# Altium PCB ThereMightBeNoise.PcbDoc (part 2 of 3) (continued)
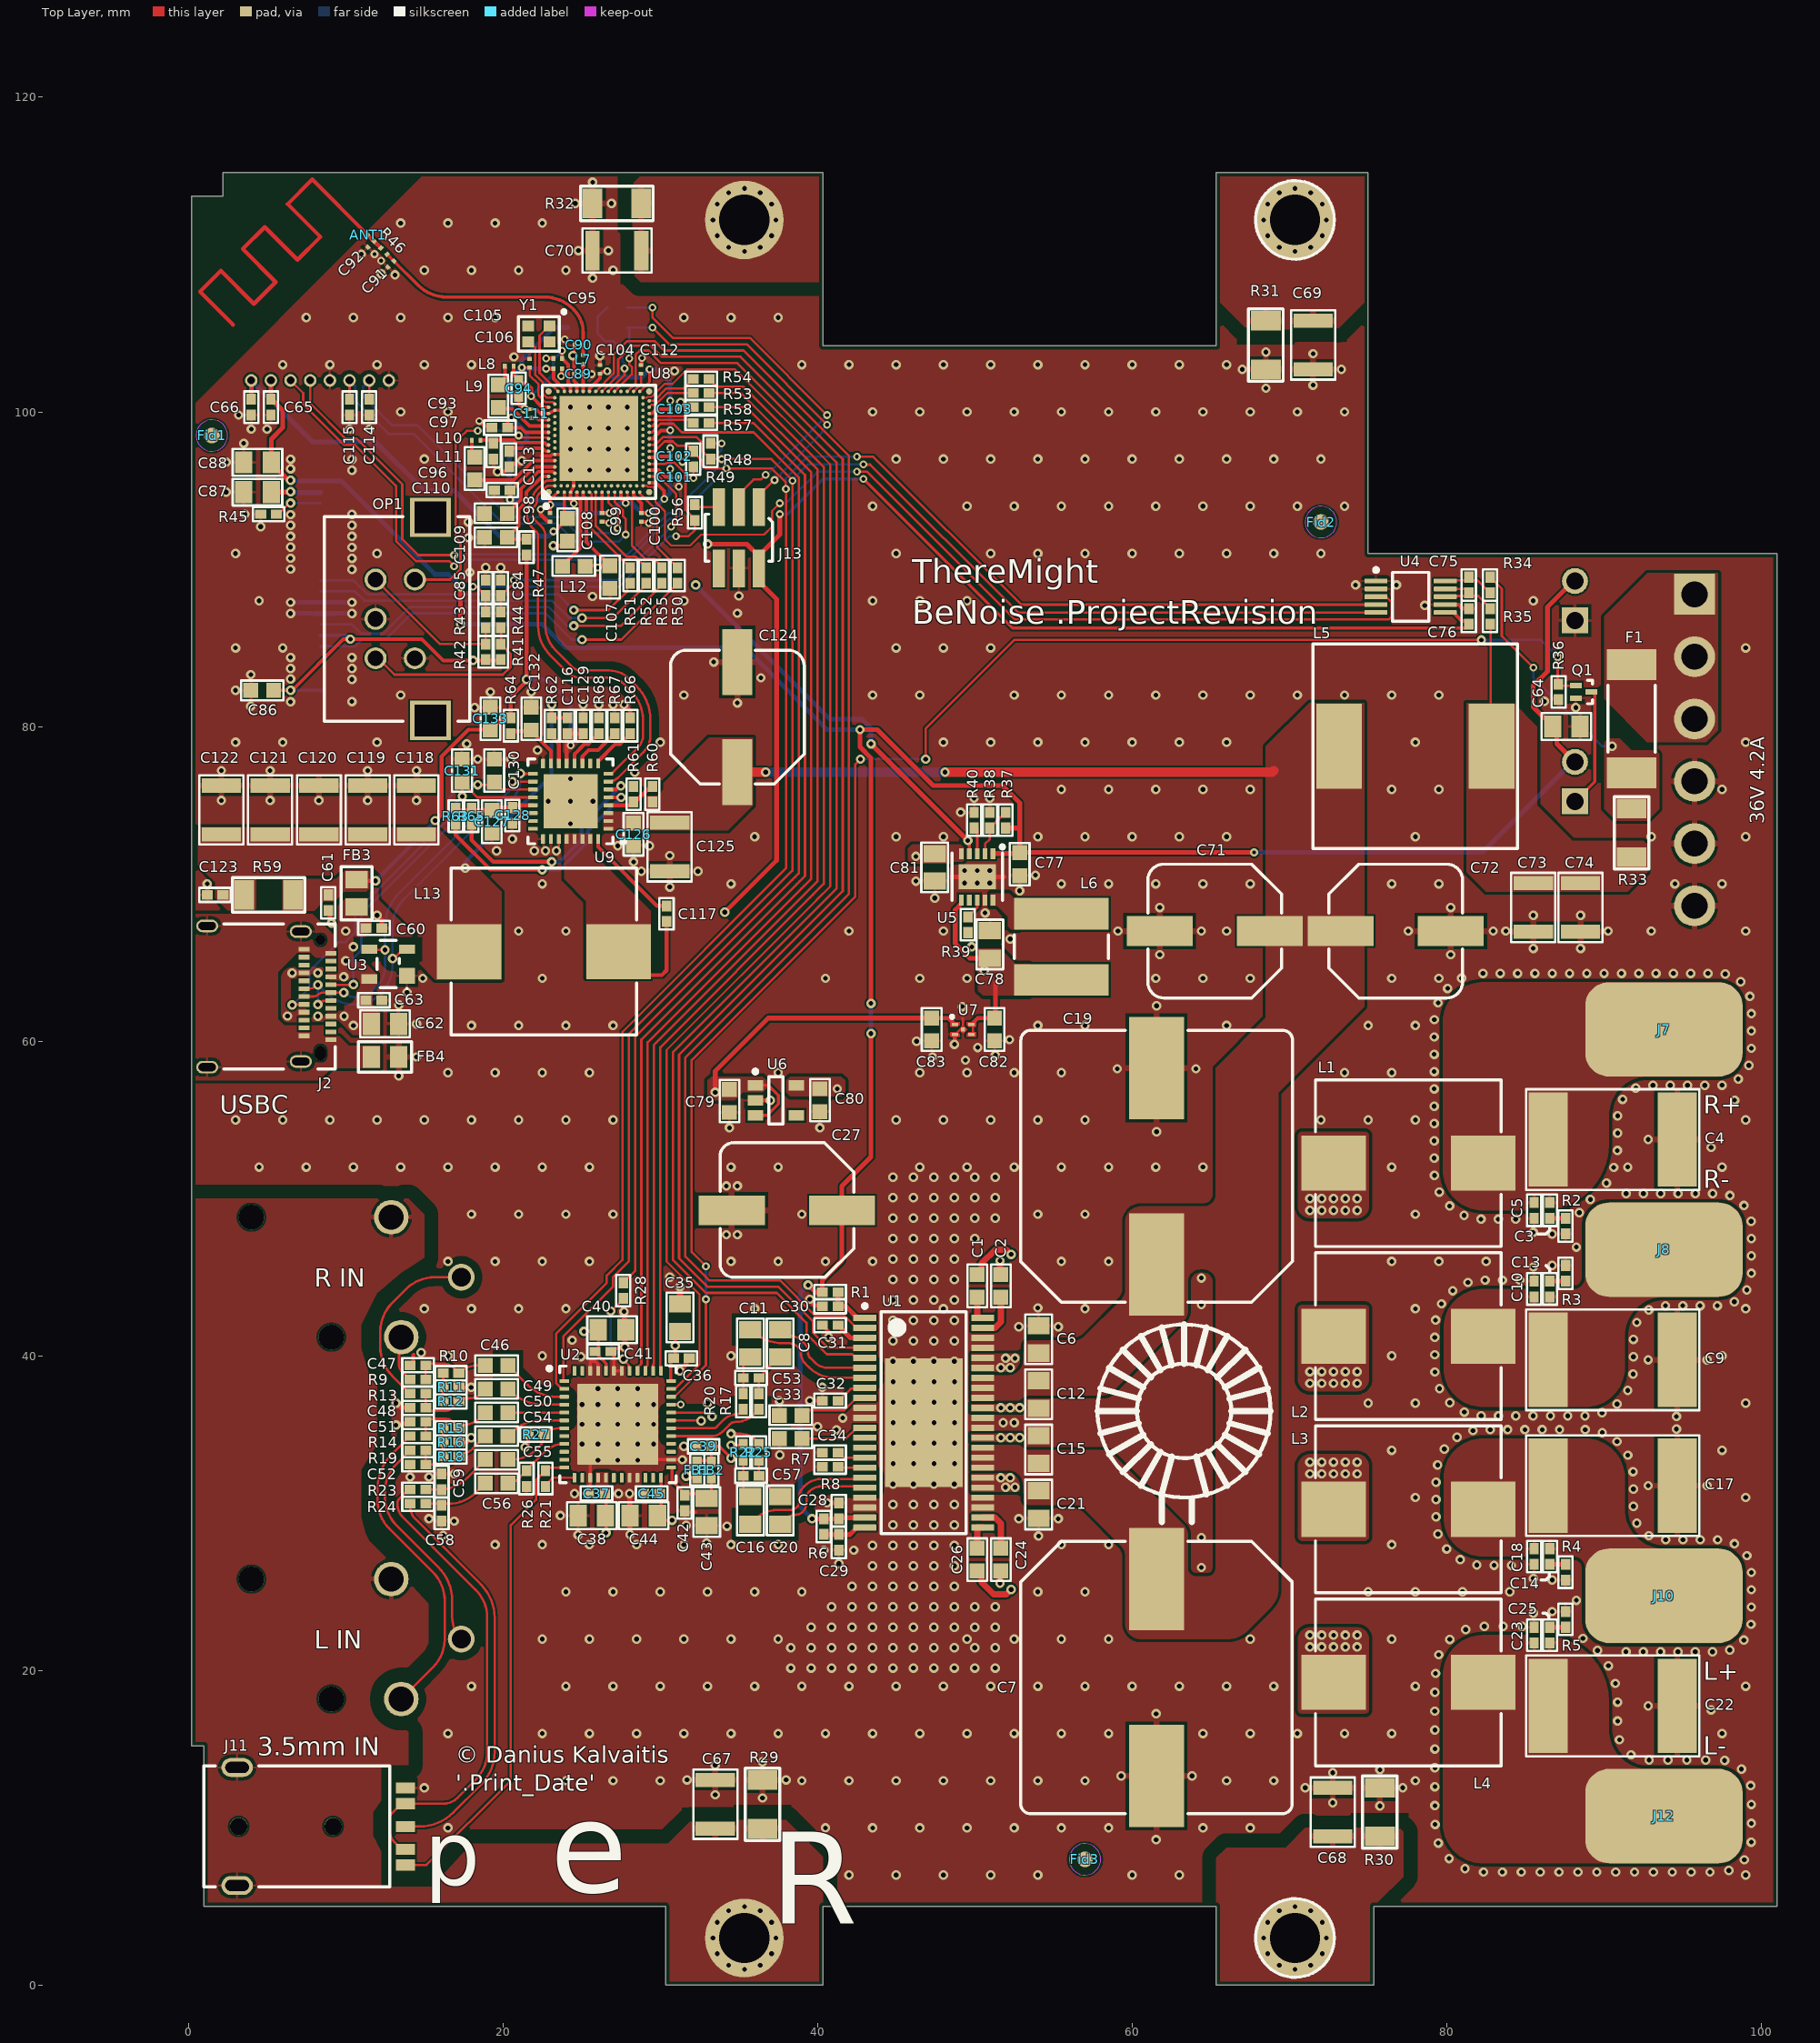
[diagram p0: Top Layer view]
## Nets (pads, with @x,y where several pads share a name; then routed paths per layer and width w, separated by ;. In a path a pad name is that pad's centre, name@x,y a point inside that pad or via, vN(x,y) a via of type N, cw(c..) or ccw(c..) an arc to the next point about the centre after c; other vN are vias at no path point) (continued)
AMP_OTW_CLIP#: U1.2 U8.R31 | length 89
  Top Layer w0.15: U8.R31@25.9,101.3 27.05,102.45 27.05,103.65 27.9,104.5 29.635,104.5 30.235,103.9 35.3,103.9 42,97.2 42,69.369 31.597,58.966 31.597,46.303 33.1,44.8 37.6,44.8 39.85,42.55 41.7,42.55 42.342,41.908 42.35,41.908 42.4,41.858 U1.2@42.4,41.85
AMP_RST#: U1.5 U8.AE31 | length 88.6
  Top Layer w0.15: U8.AE31@27.9,101.3 28.435,101.835 28.435,103.635 28.7,103.9 29.25,103.9 30.05,103.1 34.899,103.1 41.2,96.799 41.2,69.7 30.8,59.3 30.8,46.1 32.9,44 37.4,44 39.3,42.1 39.3,41.4 40.6,40.1 42.2,40.1 42.422,39.878 U1.5@43,39.878
ANT_7: ANT1.1 C92.2 R46.2 | length 1.2
  Top Layer w0.254: ANT1.1@11.412,111.246 C92.2@11.8,110.857 R46.2@12.242,110.415
AVDD_DAC: C42.2 C43.2 FB2.2 U2.25 | length 4.4
  Top Layer w0.2: U2.25@30.75,32.85 30.75,32.05 31.35,31.45 31.55,31.25 C42.2@31.75,31.25 ; C42.2@31.85,31.25 C43.2@32.75,31.25 ; FB2.2@33.35,32.35 FB2.2@33.25,32.25 33.25,31.35 C43.2@33.45,31.15
BCLK: R53.1 U2.38 | length 70.8
  Top Layer w0.15: U2.38@29.55,39.05 29.55,39.45 29.6,39.5 29.6,59.772 39.414,69.586 ; R53.1@33.1,101.2 35.128,101.2 40,96.328 40,70.172 39.414,69.586 ; 39.249,69.42 39.414,69.586
CC1: C131.2 J2.A5 U9.20 | length 22.1
  Top Layer w0.15: J2.A5@9.06,63.59 10.29,63.59 10.3,63.6 v1(10.5,63.6) ; C131.2@17.4,76.475 C131.2@17.417,76.458 ; v1(17.417,75.561) C131.2@17.417,76.458 ; U9.20@21.9,75.5 18.375,75.5 C131.2@17.417,76.458
  Bottom Layer w0.15: v1(10.5,63.6) 10.5,65.3 11,65.8 11,68.1 17,74.1 17,75.143 v1(17.417,75.561)
CC2: C130.2 J2.B5 U9.19 | length 24.3
  Top Layer w0.15: v1(6.6,62.3) 6.64,62.34 J2.B5@7.36,62.34 ; v1(18.4,76.3) 19.275,76.3 C130.2@19.45,76.475 19.925,76 U9.19@21.9,76
  Bottom Layer w0.15: v1(6.6,62.3) 7.7,63.4 7.7,64.455 9.542,66.297 9.997,66.297 10.6,66.9 10.6,68.2 16.6,74.2 16.6,75.5 17.2,76.1 17.823,76.1 18.023,76.3 v1(18.4,76.3)
CODEC_GPIO: Q1.1 R36.2 U2.34 | length 98.5
  Top Layer w0.15: U2.34@30.7,37.4 30.9,37.4 32.9,39.4 v3(32.9,43.599) ; v3(32.9,45.7) 32,46.6 32,58.8 42.4,69.2 42.4,77.6 v1(42.728,77.928) ; v1(46.872,77.928) 46.872,79.872 52.5,85.5 v1(82.2,85.5) ; v1(87.05,84.433) 87.05,83 87.2,82.85 87.05,82.7 R36.2@87.1,82.7 87.2,82.6 Q1.1@88.2,82.6
  Bottom Layer w0.15: v3(32.9,43.599) v3(32.9,45.7) ; v1(42.728,77.928) v1(46.872,77.928) ; v1(82.2,85.5) 85.983,85.5 v1(87.05,84.433)
CODEC_INT: U2.35 U8.AK30 | length 80
  Top Layer w0.127: U8.AK30@28.9,100.9 29.125,100.9 29.185,100.96 29.46,100.96 30.275,101.775 30.775,101.775 31.705,102.705 34.755,102.705 40.8,96.66 40.8,69.84 39.98,69.02 39.814,68.854 30.4,59.44 30.4,46 32.5,43.9 32.5,39.464 30.936,37.9 U2.35@30.7,37.9
CS#: DS1.13 R50.1 | length 26
  Top Layer w0.15: v1(25.028,85.526) 27.526,85.526 R50.1@31.1,89.1
  Bottom Layer w0.15: DS1.13@8.425,85.091 8.591,85.091 8.6,85.1 10.6,85.1 11,85.5 12.5,85.5 14.2,87.2 22.7,87.2 24.374,85.526 v1@25.267,85.526
D/C#: DS1.15 R55.1 | length 24.3
  Top Layer w0.15: v1(24.5,86.4) 27.5,86.4 30.1,89 R55.1@30.1,89.1
  Bottom Layer w0.15: DS1.15@8.425,86.491 10.409,86.491 11,85.9 12.4,85.9 14.1,87.6 22.9,87.6 24.1,86.4 v1(24.5,86.4)
D_IN_N: J2.A7 J2.B7 U3.2 U9.17 | length 27.1
  Top Layer w0.15: J2.B7@7.36,63.34 7.654,63.34 ccw(c7.654,64.16) v1(8.233,63.58) v1@8.175,63.58 ; v1@8.306,62.403 cw(c8.74,61.97) J2.A7@8.74,62.583 ; J2.A7@9.06,62.59 9.076,62.59 ccw(c9.076,62.624) 9.1,62.6 ccw(c9.124,62.624) J2.A7@9.124,62.59 ; v1(12.986,65.26) 12.986,65.262 12.97,65.278 12.97,65.272 ccw(c13.072,65.272) 13,65.2 13.473,65.673 cw(c13.9,65.246) U3.2@13.9,65.85 ; v1(21.114,77.014) ccw(c21.148,77.048) 21.148,77 U9.17@21.8,77
  Bottom Layer w0.15: v1(8.232,62.329) 8.233,62.33 v1(8.233,63.58) 8.709,63.105 ccw(c10.579,64.975) 10.579,62.33 10.702,62.33 ccw(c10.702,64.244) 12.055,62.891 12.333,63.168 ccw(c10.795,64.706) 12.97,64.706 v1@12.97,65.26 ; v1(12.986,65.26) 12.986,67.27 cw(c15.526,67.27) 13.73,69.066 19.069,74.404 cw(c19.3,74.173) 19.3,74.5 19.401,74.5 ccw(c19.401,75.136) 19.851,74.686 20.65,75.486 ccw(c19.53,76.605) 21.114,76.605 v1(21.114,77.014) 21.1,77 ccw(c21.172,76.928) v1@21.07,76.928
D_IN_P: J2.A6 J2.B6 U3.3 U9.18 | length 23.6
  Top Layer w0.15: J2.B6@7.36,62.84 7.949,62.84 ccw(c7.949,63.241) 8.232,62.957 cw(c8.555,62.635) 8.555,63.091 J2.A6@8.994,63.091 ; J2.A6@9.06,63.09 v1(9.882,63.09) ; U3.3@11.5,65.85 11.5,65.8 v1(12.5,65.8) ; v1(20.6,76.5) U9.18@21.659,76.5
  Bottom Layer w0.15: v1(9.882,63.09) ccw(c10.582,63.79) 10.582,62.8 10.7,62.8 ccw(c10.7,64.249) 11.724,63.224 12,63.5 ccw(c10.793,64.707) 12.5,64.707 v1(12.5,65.8) 12.5,67.253 cw(c15.51,67.253) 13.382,69.382 18.738,74.738 cw(c19.298,74.179) 19.298,74.97 19.4,74.97 ccw(c19.4,75.139) 19.52,75.02 20.317,75.817 ccw(c19.634,76.5) v1(20.6,76.5)
D_N: U8.B4 U9.8 | length 24.9
  Top Layer w0.148: U8.B4@23.3,95.7 cw(c22.53,96.47) 23.231,95.637 ccw(c23.217,95.362) 23.217,95.637 22.864,95.637 ccw(c22.864,95.362) 22.669,95.557 22.103,94.99 ccw(c22.594,94.5) 21.9,94.5 cw(c21.417,94.5) 21.759,94.159 21.7,94.1 ccw(c22.105,93.695) 21.532,93.695 21.532,93.487 ccw(c22.785,93.487) 21.899,92.601 22.129,92.371 cw(c21.88,92.122) 22.232,92.122 22.232,86.418 ccw(c24.916,86.418) 23.018,84.52 24.071,83.467 ccw(c24.958,84.354) 24.958,83.1 26.734,83.1 cw(c26.734,81.734) 27.7,82.7 28.156,82.244 cw(c26.36,80.448) 28.9,80.448 28.9,79.4 cw(c27.934,79.4) 28.617,78.717 27.041,77.141 cw(c26.7,77.483) U9.8@26.7,77
D_P: U8.B2 U9.7 | length 25.2
  Top Layer w0.148: 21.9,93.487 ccw(c22.444,93.487) 22.059,93.102 22.461,92.7 cw(c21.885,92.124) 22.7,92.124 22.7,86.419 ccw(c24.919,86.419) 23.35,84.85 24.4,83.8 ccw(c24.96,84.36) 24.96,83.568 26.736,83.568 cw(c26.736,81.738) 28.03,83.032 28.488,82.573 cw(c26.365,80.45) 29.368,80.45 29.368,79.399 cw(c27.937,79.399) 28.949,78.387 27.317,76.756 cw(c26.7,77.373) U9.7@26.7,76.5 ; 21.9,93.5 21.9,93.759 cw(c22.241,93.759) 22,94 22.009,94.009 ccw(c21.628,94.39) 22.167,94.39 ccw(c21.417,94.5) 22.175,94.5 cw(c22.594,94.5) 22.298,94.797 22.735,95.234 cw(c22.895,95.074) 22.895,95.3 U8.B2@23.3,95.3
DEBUG_TX_8: J13.3 R56.2 | length 1.6
  Top Layer w0.15: R56.2@32.2,94.1 32.35,93.95 J13.3@33.73,93.95
DECA_7: C113.2 U8.A13 | length 2.7
  Top Layer w0.225: C113.2@20.4,97.5 20.6,97.7 22.5,97.7 22.7,97.5 U8.A13@22.9,97.5
DECF_7: C112.2 U8.AG31 | length 1.3
  Top Layer w0.15: U8.AG31@28.3,101.3 28.775,101.775 C112.2@28.775,102.425
DECN_7: C111.2 U8.A23 | length 1.2
  Top Layer w0.225: C111.2@21.8,99.625 22.148,99.625 22.273,99.5 U8.A23@22.9,99.5
DECR_7: C94.2 C95.2 L8.1 U8.A27 U8.G31 | length 10.5
  Top Layer w0.225: L8.1@20.675,102.9 20.675,102.369 20.807,102.237 20.813,102.237 21,102.05 C94.2@21,102 ; C94.2@21,102 21.188,101.811 21.489,101.811 21.8,101.5 v3(21.8,101) 22.5,100.3 U8.A27@22.9,100.3 ; v3(23.76,103.878) 23.76,103.405 C95.2@23.765,103.4 23.765,103.375 23.778,103.363 23.803,103.363 24.157,103.008 24.157,101.845 24.3,101.702 U8.G31@24.3,101.3
  Bottom Layer w0.2: v3(21.8,101) 23.2,102.4 23.2,103.3 v3@23.8,103.9
DECUSB_7: C110.2 U8.B6 | length 4.6
  Top Layer w0.225: C110.2@20.275,93.55 21.15,94.425 21.15,95.101 22.251,96.201 23.199,96.201 U8.B6@23.3,96.1
DIFF_AUDIO_IN.L_N: C20.1 C57.1 R25.2 | length 2.6
  Top Layer w0.148: C57.1@36.275,32.375 R25.2@36.275,33.375 ; C57.1@36.275,32.375 36.732,31.918 cw(c35.947,31.133) C20.1@37.057,31.133 ; C20.1@37.582,31.068 ccw(c37.625,31.11) C20.1@37.625,31.05 C20.1@37.6,31.05
DIFF_AUDIO_IN.L_P: C16.1 C57.2 R22.2 | length 2.5
  Top Layer w0.15: R22.2@35.275,33.375 C57.2@35.275,32.375 35.275,31.5 C16.1@35.725,31.05
DIFF_AUDIO_IN.R_N: C11.1 C53.1 R20.2 | length 2.5
  Top Layer w0.15: R20.2@35.275,37.6 C53.1@35.275,38.6 35.275,39.475 C11.1@35.725,39.925
DIFF_AUDIO_IN.R_P: C8.1 C53.2 R17.2 | length 2.9
  Top Layer w0.15: R17.2@36.275,37.6 C53.2@36.275,38.6 36.81,39.135 ccw(c36.331,39.615) C8.1@37.009,39.615 ; C8.1@37.15,39.525 37.15,39.599 37.488,39.788 C8.1@37.625,39.925
DIN: R57.1 U2.40 | length 69.1
  Top Layer w0.15: U2.40@28.55,39.05 28.55,39.25 28.8,39.5 28.8,60.103 38.849,70.151 ; R57.1@33.1,99.3 35.897,99.3 39.2,95.997 39.2,70.503 38.849,70.151 ; 38.683,69.986 38.849,70.151
DOUT: R28.1 U8.AL19 | length 67.2
  Top Layer w0.15: R28.1@27.65,44.65 28.4,45.4 28.4,60.269 38.566,70.434 ; U8.AL19@29.3,98.7 29.301,98.701 29.476,98.701 30.025,99.25 30.825,99.25 31.375,98.7 35.931,98.7 38.8,95.831 38.8,70.669 38.566,70.434 ; 38.4,70.269 38.566,70.434
DRVDD: C37.2 C38.2 C44.2 C45.2 FB1.2 U2.16 U2.17 U2.24 | length 15.2
  Top Layer w0.2: C38.2@26.55,29.45 26.55,29.85 26.553,29.847 v1(26.553,28.754) ; C38.2@26.55,30.05 C37.2@26.55,31.25 ; C37.2@26.55,30.95 C37.2@26.55,31.35 ; C44.2@29.95,30.05 C44.2@30.05,29.95 ; C45.2@29.95,31.25 30.05,31.15 C44.2@30.05,30.25 ; C44.2@30.05,29.75 C44.2@30.05,29.95 ; C44.2@30.05,30.05 C44.2@30.05,29.95 ; C45.2@30.05,31.2 U2.24@30.05,32.25 ; v1(30.75,29.55) 30.2,29.55 30.1,29.65 30.1,29.9 C44.2@30.05,29.95 ; v1@31.65,32.25 32.15,32.25 32.25,32.35 FB1.2@32.45,32.35
  Int2 (PWR) w0.2: v1(26.553,28.754) 27.349,29.55 v1(30.75,29.55) 30.75,31.45 v1(31.65,32.35)
ENC_A: C85.2 R43.2 R56.1 U8.AL9 | length 24.4
  Top Layer w0.15: v3(18.1,88.9) 18.31,88.9 C85.2@18.9,88.31 18.9,87.183 R43.2@18.792,87.075 ; U8.AL9@29.3,96.7 30.35,96.7 30.425,96.775 30.9,96.775 31.6,96.075 31.6,93.775 32.2,93.175 R56.1@32.2,93.1 32.2,92.5 31.8,92.1 v3(31,92.1)
  Bottom Layer w0.15: v3(18.1,88.9) 27.4,88.9 30.6,92.1 v3(31,92.1)
ENC_B: C84.2 R44.2 U8.AL5 | length 18.3
  Top Layer w0.15: R44.2@19.753,87.202 19.861,87.31 C84.2@19.861,88.31 20.7,89.149 v3(20.7,89.31) ; U8.AL5@29.3,95.9 29.892,95.9 31,94.792 31,93.008 v3(30.692,92.7)
  Bottom Layer w0.15: v3(20.7,89.31) 27.302,89.31 v3(30.692,92.7)
ENC_SW#: OP1.1 U8.A17 | length 17.8
  Top Layer w0.15: OP1.1@14.4,89.341 16.641,89.341 17.3,90 17.3,91.7 17,92 17,98.1 17.3,98.4 17.7,98.8 v3(18.4,98.8) ; v3(21,98.5) 21.017,98.5 21.142,98.375 22.805,98.375 22.88,98.3 U8.A17@22.9,98.3
  Bottom Layer w0.15: v3(18.4,98.8) 20.7,98.8 v3(21,98.5)
FAN_PWR: J4.1 Q1.3 | length 7.7
  Top Layer w0.2: J4.1@88.15,75.25 89.4,76.5 89.4,78.6 89.4,82.19 89.39,82.2 Q1.3@89.2,82.2
GND: C4.1 C5.1 C6.2 C7.2 C9.2 C10.2 C12.1 C15.2 C17.1 C18.1 C19.2 C21.1 C22.2 C23.2 C27.2 C28.1 C29.1 C30.1 C31.1 C32.1 C33.1 C34.1 C35.1 C36.1 C37.1 C38.1 C39.1 C40.1 C41.1 C42.1 C43.1 C44.1 C45.1 C47.1 C48.2 C51.1 C52.2 C58.1 C59.1 C60.1 C61.1 C62.1 C63.1 C64.1 C65.1 C66.1 C67.2 C68.2 C69.2 C70.2 C71.2 C72.2 C73.1 C74.1 C76.1 C77.1 C78.1 C79.1 C80.1 C81.1 C82.1 C83.1 C84.1 C85.1 C86.1 C87.1 C88.1 C89.1 C90.1 C91.1 C92.1 C93.1 C94.1 C95.1 C96.1 C97.1 C98.1 C99.1 C100.1 C101.1 C102.1 C103.1 C104.1 C105.1 C106.1 C107.1 C108.1 C109.1 C110.1 C111.1 C112.1 C113.1 C114.2 C115.1 C118.1 C119.1 C120.1 C121.1 C122.1 C123.1 C124.2 C125.1 C126.1 C127.1 C128.1 C129.1 C130.1 C131.1 C132.1 C133.1 DS1.1 DS1.8 DS1.10 DS1.11 DS1.12 DS1.16 DS1.17 DS1.20 DS1.21 DS1.22 DS1.23 DS1.24 DS1.25 DS1.29 DS1.30 FB4.1 J1.4 J1.5 J1.6 J3.1 J5.1 J5.4 J11.1 J13.5 J14.2 OP1.2 OP1.C Q1.2 R2.1 R3.2 R4.1 R5.2 R7.1 R8.1 R11.2 R16.2 R26.1 R27.1 R29.2 R30.2 R31.2 R32.2 R36.1 R38.1 R39.1 R40.1 R45.1 R61.1 R66.1 R67.1 R68.1 U1.10 U1.11 U1.19 U1.20 U1.25 U1.26 U1.33 U1.34 U1.41 U1.42 U1.45 U2.15 U2.20 U2.21 U2.26 U2.42 U2.43 U2.45 U2.46 U2.49 U3.1 U4.1 U4.2 U4.7 U5.9 U5.11 U6.2 U7.2 U7.5 U8.104 U8.A25 U8.B12 U8.B26 U8.G1 U8.H2 U8.J31 U9.16 U9.25 U9.26 U9.27 U9.33 | length 69.1
  Top Layer w0.15: v1(23.396,72.104) 23.4,72.1 23.549,72.249 U9.27@23.549,72.821 ; v1(24.45,103.575) 24.525,103.65 24.525,104.233 C90.1@24.55,104.258 ; U1.11@42.918,35.985 U1.11@43,36.068 ; U7.2@48.729,60.438 48.779,60.438 49.092,60.75 U7.5@49.25,60.75 49.25,61.425 49.2,61.475
  Top Layer w0.2: v1@24.65,31.25 C37.1@25.45,31.25 ; C37.1@25.55,31.35 U2.15@25.55,32.25 U2.49@25.55,33.25 ; U2.46@25.55,39.15 25.55,39.65 ; 25.65,39.65 25.85,39.65 26.03,39.47 26.03,39.07 U2.45@26.05,39.05 ; C41.1@26.85,40.35 26.973,40.473 27.565,40.473 27.642,40.55 v1(27.75,40.55) ; C41.1@27.05,40.25 U2.43@27.05,39.05 U2.42@27.55,39.05 ; v1@28.063,31.163 v1@28.16,31.26 ; U2.49@29.65,33.35 29.7,33.4 U2.26@30.7,33.4 v1(31.406,33.4) ; C42.1@31.55,30.05 32.25,30.05
  Top Layer w0.225: C47.1@14.1,39.4 14.3,39.6 14.3,40.061 14.32,40.08 ; R16.2@17.2,34.5 17.7,34.5 18,34.8 v1(17.973,34.8) ; R11.2@17.2,38 v1(17.973,38) ; C94.1@21,101 21,100.475 21.088,100.387 21.089,100.387 21.302,100.175 v1(21.376,100.175) C111.1@21.8,100.175 21.803,100.172 22.099,100.172 22.37,99.9 U8.A25@22.9,99.9 U8.B26@23.3,100.1 24.3,100.1 U8.104@26.1,98.3 24.5,96.7 U8.H2@24.5,95.3 U8.G1@24.3,94.9 24.3,94.4 24.5,94.2 v3(24.5,94.183) ; v1(21.4,34.2) 21.6,34.4 R27.1@21.6,35 ; 22.45,97.2 22.451,97.199 23.025,97.199 23.126,97.3 U8.B12@23.3,97.3 U8.104@23.8,97.3 ; v3(22.75,103.4) C95.1@23.215,103.4 ; v3(23.7,102.274) 23.753,102.326 23.753,102.738 C105.1@23.765,102.75 ; v1(24.45,103.575) 24.525,103.5 C89.1@24.525,102.4 24.525,101.975 24.7,101.8 U8.J31@24.7,101.3 ; v1(26.166,103.564) 26.175,103.555 C104.1@26.175,102.975 ; C99.1@26.3,93.025 26.313,93.013 26.636,93.013 26.719,92.929 v3@26.775,92.986 ; v3(26.768,92.929) v3@26.768,92.979 ; C112.1@28.775,102.975 28.793,102.975 28.806,102.987 28.806,103.394 v3(28.836,103.425) ; C100.1@28.8,93.025 28.814,93.025 28.827,93.013 29.111,93.013 29.194,92.929 v3(29.268,92.929) ; v1(39.5,37.15) C32.1@40.3,37.15 ; C31.1@40.3,41.95 40.707,41.543 v1(40.707,41.182)
  Top Layer w0.25: v1@13.1,35.7 14,35.7 C51.1@14.1,35.8 ; v1@13.3,36.9 13.5,36.7 14,36.7 C48.2@14.1,36.7 ; v3(18.503,99.418) 18.822,99.1 19.2,99.1 C93.1@19.3,99 ; v1(19.65,96.2) 20.1,96.2 C113.1@20.4,96.5 ; C113.1@20.4,96.5 20.6,96.7 v1@21,96.7 ; v3(22.4,93.8) 22.4,93.486 22.861,93.025 C98.1@23,93.025 ; v1(23.2,91.5) 23.8,91.5 C108.1@24,91.7 ; v1(27.7,81.4) 28.1,81 R66.1@28.1,80.7 ; v3(31.175,95.24) C101.1@31.175,95.85 ; C102.1@31.175,97.175 31.175,97.067 v3(31.423,96.819) ; C103.1@31.175,100.175 31.3,100.3 v1(31.3,100.6) ; U6.2@36.047,56.241 v1(37,56.241) ; v1@39.4,43.6 39.8,43.2 40.3,43.2 C30.1@40.3,43.15 ; v1(48.7,59.8) 48.729,59.829 U7.2@48.729,60.438 ; U4.7@79.9,87.75 80.75,87.75 81,87.5 C76.1@81.5,87.5
  Top Layer w0.3: C123.1@1.2,69.3 v1(1.2,70) ; C61.1@8.9,68.3 9,68.2 9,67.6 v1(9.1,67.5) ; C60.1@12.3,67.2 12.3,67.7 ; C40.1@27.65,41.85 27.696,41.896 v1(27.696,42.813) ; v1(27.75,40.55) C40.1@27.75,41.15 ; v1@28.05,28.65 28.063,28.663 28.063,31.163 28.063,31.237 v1(28.05,31.25) ; v1@31.25,39.15 31.35,39.15 31.65,39.45 31.65,39.7 31.8,39.85 C36.1@31.85,39.85 ; C35.1@31.25,43.509 31.15,43.409 C35.1@31.252,43.307 ; v1(31.5,34.25) C39.1@32.25,34.25 ; v1@40.6,30.65 C28.1@41.35,30.65 ; 48.55,70.45 U5.11@49.25,70.45 ; U5.11@50.95,70.45 51.85,70.45 ; C15.2@53.65,35.325 C15.2@54.05,34.925
  Top Layer w0.4: C35.1@31.25,43.509 v1(31.25,44.4)
  Bottom Layer w0.3: v1@6.5,87.2 DS1.16@7.8,87.2 ; v1@6.5,87.9 8.5,87.9 DS1.17@8.491,87.891 ; DS1.16@7.991,87.191 DS1.16@8.425,87.191 9.191,87.191 9.2,87.2 v1@10.4,87.2 ; DS1.17@8.425,87.891 DS1.17@8.491,87.891 ; v1@10.4,87.9 9.4,87.9 9.391,87.891 DS1.17@8.491,87.891
  other v1: 42,7 45,7 48,7 51,7 54,7 60,7 63,7 99,7 82.335,7.189 83.535,7.189 84.735,7.189 85.935,7.189 87.135,7.189 88.335,7.189 89.534,7.189 90.734,7.189 91.934,7.189 93.134,7.189 94.334,7.189 95.534,7.189 96.734,7.189 97.93,7.288 81.154,7.402 98.917,7.972 80.143,8.05 79.457,9.035 99.355,9.089 61.525,9.25 16.5,10 40.5,10 43.5,10 46.5,10 49.5,10 52.5,10 55.5,10 58.5,10 64.5,10 67.5,10 79.257,10.218 99.361,10.289 75.75,11.4 79.246,11.418 99.361,11.489 72.75,11.6 36.5,11.9 33.5,12.1 15,12.54 71,12.55 77.2,12.55 79.246,12.618 99.314,12.688 24,13 27,13 30,13 39,13 42,13 45,13 48,13 51,13 54,13 57,13 66,13 69,13 78,13 31.7,13.05 38,13.05 59.3,13.3 63.8,13.3 72.75,13.5 75.75,13.7 98.729,13.735 79.246,13.818 33.5,14 36.5,14.2 97.659,14.28 92.86,14.311 94.06,14.311 95.26,14.311 96.46,14.311 91.708,14.648 79.246,15.018 90.975,15.598 16.5,16 22.5,16 25.5,16 28.5,16 31.5,16 34.5,16 37.5,16 40.5,16 43.5,16 46.5,16 49.5,16 52.5,16 55.5,16 58.5,16 64.5,16 67.5,16 70.5,16 73.5,16 76.5,16 97.5,16 79.246,16.218 90.861,16.792 61.525,17.25 79.239,17.418 96.8,17.5 92.8,17.75 90.861,17.992 79.246,18.618 18,19 24,19 27,19 30,19 33,19 36,19 39,19 42,19 45,19 48,19 51,19 54,19 57,19 60,19 63,19 66,19 69,19 78,19 99,19 90.713,19.183 79.284,19.817 38.297,20.156 39.597,20.156 40.897,20.156 42.197,20.156 43.497,20.156 44.797,20.156 46.097,20.156 47.397,20.156 48.697,20.156 49.997,20.156 51.297,20.156 90.275,20.301 79.489,20.999 91.39,21.189 92.49,21.189 93.59,21.189 94.69,21.189 95.79,21.189 96.89,21.189 89.574,21.274 97.984,21.303 38.297,21.456 39.597,21.456 40.897,21.456 42.197,21.456 43.497,21.456 44.797,21.456 46.097,21.456 47.397,21.456 48.697,21.456 49.997,21.456 51.297,21.456 98.886,21.933 80.184,21.978 22.5,22 25.5,22 28.5,22 31.5,22 34.5,22 37.5,22 49.5,22 52.5,22 55.5,22 58.5,22 67.5,22 76.5,22 88.655,22.045 81.204,22.61 39.597,22.756 40.897,22.756 42.197,22.756 43.497,22.756 44.797,22.756 46.097,22.756 47.397,22.756 48.697,22.756 49.997,22.756 51.297,22.756 82.387,22.811 83.587,22.811 84.787,22.811 99.339,22.935 85.5,23.65 86.7,23.75 99.361,24.035 40.897,24.056 42.197,24.056 43.497,24.056 44.797,24.056 46.097,24.056 47.397,24.056 48.697,24.056 49.997,24.056 51.297,24.056 88.239,24.462 24,25 27,25 30,25 33,25 36,25 39,25 54,25 57,25 75,25 78,25 81,25 84,25 99.361,25.135 42.197,25.356 43.497,25.356 44.797,25.356 46.097,25.356 47.397,25.356 48.697,25.356 86.7,25.75 85.5,25.85 99.361,26.235 64.4,26.55 43.497,26.656 44.797,26.656 46.097,26.656 47.397,26.656 48.697,26.656 83.005,26.689 84.105,26.689 81.905,26.708 41.35,26.8 80.858,27.045 99.078,27.298 40.4,27.65 42.3,27.65 79.995,27.727 43.497,27.956 44.797,27.956 46.097,27.956 47.397,27.956 48.697,27.956 19.5,28 22.5,28 25.5,28 28.5,28 31.5,28 34.5,28 37.5,28 55.5,28 58.5,28 76.5,28 98.285,28.061 32.95,28.1 93.914,28.311 95.014,28.311 96.114,28.311 97.214,28.311 64.4,28.45 54.05,28.55 92.845,28.57 16.2,28.6 24.775,28.625 28.075,28.65 79.442,28.678 34.25,29.175 31.65,29.225 92.082,29.362 16.9,29.5 15.3,29.65 52.8,29.65 55.3,29.65 79.314,29.771 23.65,29.85 91.861,30.44 40.6,30.65 79.314,30.871 78,31 99,31 24.55,31.25 27.35,31.25 91.861,31.54 92.8,31.75 96.55,31.75 79.315,31.971 14.1,32.3 15.3,32.3 16.912,32.5 91.843,32.64 79.415,33.066 37.6,33.7 91.508,33.687 76.5,34 97.5,34 79.842,34.08 90.827,34.551 80.648,34.828 89.882,35.115 81.666,35.245 41.2,35.3 82.764,35.311 83.864,35.311 84.964,35.311 86.064,35.311 87.164,35.311 88.8,35.311 94.6,35.35 40,35.5 13.2,35.6 51.8,35.75 52.5,35.75 41.6,36.05 94.6,36.15 82.187,36.189 83.287,36.189 84.387,36.189 85.487,36.189 86.587,36.189 87.687,36.189 88.787,36.189 89.87,36.38 81.114,36.428 90.818,36.939 13.2,37 33,37 75,37 78,37 99,37 80.192,37.029 37.575,37.15 91.501,37.801 79.54,37.915 40.3,38 91.841,38.848 79.245,38.975 31.25,39.05 92.8,39.75 96.55,39.75 24.95,39.95 91.861,39.947 16.5,40 22.5,40 34.5,40 76.5,40 97.5,40 79.239,40.075 14.8,40.2 24.4,41 91.861,41.047 79.239,41.175 52.8,41.85 55.3,41.85 92.077,42.126 79.283,42.274 92.835,42.923 15,43 18,43 21,43 24,43 36,43 48,43 57,43 78,43 99,43 54,43.05 93.902,43.189 95.002,43.189 96.102,43.189 97.202,43.189 64.4,43.25 79.66,43.308 98.275,43.435 44.797,43.556 46.097,43.556 47.397,43.556 48.697,43.556 39.5,43.6 80.378,44.141 99.072,44.193 81.344,44.667 82.434,44.811 83.534,44.811 84.634,44.811 44.797,44.856 46.097,44.856 47.397,44.856 48.697,44.856 64.4,44.95 30.6,45 99.361,45.254 85.5,45.65 86.7,45.75 16.5,46 19.5,46 22.5,46 25.5,46 34.5,46 37.5,46 40.5,46 43.5,46 55.5,46 58.5,46 76.5,46 79.5,46 82.5,46 44.797,46.156 46.097,46.156 47.397,46.156 48.697,46.156 99.361,46.354 88.239,46.914 44.797,47.456 46.097,47.456 47.397,47.456 48.697,47.456 49.997,47.456 99.361,47.454 34.2,47.7 34.9,47.7 86.7,47.75 85.5,47.85 99.341,48.554 83.275,48.689 84.375,48.689 82.175,48.691 44.797,48.756 46.097,48.756 47.397,48.756 48.697,48.756 49.997,48.756 51.297,48.756 81.101,48.93 18,49 21,49 24,49 27,49 39,49 54,49 57,49 78,49 88.421,49.099 80.178,49.528 98.892,49.558 89.126,49.944 44.797,50.056 46.097,50.056 47.397,50.056 48.697,50.056 49.997,50.056 51.297,50.056 97.994,50.193 91.4,50.311 92.5,50.311 93.6,50.311 94.7,50.311 95.8,50.311 96.9,50.311 79.522,50.411 34.2,50.8 34.9,50.8 90.149,50.981 44.797,51.356 46.097,51.356 47.397,51.356 48.697,51.356 49.997,51.356 51.297,51.356 79.216,51.468 90.614,51.978 4.5,52 7.5,52 10.5,52 13.5,52 16.5,52 19.5,52 22.5,52 25.5,52 34.5,52 37.5,52 46.5,52 49.5,52 52.5,52 55.5,52 58.5,52 61.5,52 64.5,52 76.5,52 91.5,52 97.5,52 79.199,52.568 90.841,53.055 96.8,53.25 79.199,53.668 92.8,53.75 90.861,54.154 61.55,54.25 34.4,54.5 40.15,54.5 79.199,54.768 3,55 6,55 9,55 12,55 15,55 18,55 21,55 24,55 27,55 45,55 48,55 51,55 54,55 57,55 72,55 75,55 78,55 99,55 90.861,55.254 79.199,55.868 98.3,56.25 91.176,56.308 79.199,56.968 92.013,57.022 93.1,57.189 94.2,57.189 95.3,57.189 96.4,57.189 97.5,57.201 98.528,57.594 13.375,57.8 16.5,58 19.5,58 22.5,58 25.5,58 37.5,58 46.5,58 49.5,58 52.5,58 55.5,58 73.5,58 76.5,58 79.199,58.068 59.05,58.25 64.05,58.25 99.204,58.462 49.4,58.8 14.5,59 47.3,59 51.3,59.1 79.199,59.168 99.361,59.551 50.183,59.6 46.3,60 52.2,60.1 79.199,60.268 99.361,60.651 18,61 21,61 24,61 27,61 54,61 57,61 66,61 75,61 78,61 14.5,61.1 79.202,61.368 99.361,61.751 49.2,62.2 61.55,62.25 13.375,62.3 79.447,62.44 99.27,62.847 13.9,63.1 80.053,63.358 98.684,63.777 14.9,64 22.5,64 40.5,64 46.5,64 49.5,64 61.5,64 64.5,64 67.5,64 76.5,64 79.5,64 80.942,64.005 97.701,64.271 82.302,64.311 83.402,64.311 84.502,64.311 85.602,64.311 86.702,64.311 87.802,64.311 88.902,64.311 90.002,64.311 91.102,64.311 92.202,64.311 93.302,64.311 94.402,64.311 95.502,64.311 96.602,64.311 61.75,65.5 80.25,65.5 85.5,65.9 88.5,65.9 49.8,66 52.25,66.5 21,67 24,67 42,67 48,67 59.1,67 64.4,67 66,67 77.55,67 82.95,67 83.75,67 90.25,67 93,67 99,67 12,68 85.5,68 88.5,68 50.65,68.15 61.75,68.5 80.25,68.5 47.45,69.1 52.847,69.556 30.6,69.8 22.5,70 34.5,70 55.5,70 58.5,70 61.5,70 64.5,70 67.5,70 76.5,70 79.5,70 94.5,70 97.5,70 46.25,70.175 53.85,70.55 28.8,70.8 32.4,70.8 28.3,71.4 30.6,71.8 19.6,72.1 22,72.1 22.7,72.1 27.3,72.425 29.3,72.425 20.6,72.85 36,73 45,73 48,73 54,73 57,73 60,73 63,73 66,73 78,73 93,73 99,73 49.1,74.55 2.1,75.3 5.2,75.3 8.3,75.3 11.4,75.3 14.5,75.3 49.95,75.45 50.95,75.45 55.5,76 58.5,76 61.5,76 64.5,76 67.5,76 76.5,76 79.5,76 97.5,76 28.376,77.085 2.1,77.2 5.2,77.2 11.4,77.2 14.5,77.2 18.4,77.925 20.5,77.925 22.2,78.5 17.7,78.9 3,79 6,79 12,79 30,79 48,79 51,79 54,79 57,79 60,79 63,79 66,79 78,79 99,79 18.2,81.2 88.2,81.2 3.975,81.3 25.1,81.4 26.1,81.4 27,81.4 34.9,81.5 6.5,81.573 10.4,81.591 86.2,81.6 13.5,82 31.5,82 43.5,82 46.5,82 52.5,82 55.5,82 58.5,82 61.5,82 64.5,82 67.5,82 70.5,82 73.5,82 76.5,82 79.5,82 19.2,82.2 21.8,82.2 3,82.3 10.4,82.991 6.5,83.027 36.4,83.1 3.975,83.3 6.5,83.691 10.4,83.691 33.4,84.1 6.5,84.391 10.4,84.391 3,85 6,85 45,85 48,85 51,85 99,85 6.5,87.191 10.4,87.191 34.9,87.2 78.6,87.7 6.5,87.891 10.4,87.891 4.5,88 31.5,88 43.5,88 46.5,88 49.5,88 85.5,88 25.698,88.267 35,88.3 74.2,89 76.8,89 17.9,89.8 6.5,90 10.4,89.991 18.9,90.1 19.861,90.1 6.5,90.7 10.4,90.691 3,91 12,91 45,91 51,91 54,91 57,91 60,91 63,91 66,91 69,91 72,91 6.5,91.4 10.4,91.391 17.8,92 6.5,92.091 10.4,92.091 4.6,92.7 6.5,92.791 10.4,92.791 17.8,93 6.5,93.473 10.4,93.491 3.6,93.5 43.5,94 49.5,94 52.5,94 55.5,94 58.5,94 61.5,94 64.5,94 67.5,94 70.5,94 73.5,94 2.4,94.9 10.4,96.291 6.5,96.381 2.4,96.8 21.2,96.9 6.5,96.991 10.4,96.991 15,97 45,97 48,97 51,97 54,97 57,97 60,97 63,97 66,97 69,97 72,97 3.525,98 4,98.9 5,98.9 10.25,98.9 11.5,98.9 3.2,99.8 13.5,100 16.5,100 43.5,100 46.5,100 49.5,100 52.5,100 55.5,100 58.5,100 61.5,100 64.5,100 67.5,100 70.5,100 73.5,100 68.5,101.5 71.5,101.7 30.9,102.6 67,102.7 73.3,102.7 6,103 9,103 12,103 15,103 18,103 39,103 42,103 45,103 48,103 51,103 54,103 57,103 60,103 63,103 66,103 20.7,103.5 71.5,103.7 68.5,103.8 7.5,106 10.5,106 13.5,106 16.5,106 19.5,106 31.5,106 34.5,106 37.5,106 25.7,108.5 13.141,108.707 12.267,108.774 15,109 18,109 21,109 24,109 27,109 11,110.026 24.8,110.25 26.7,110.25 13.5,112 16.5,112 19.5,112 22.5,112 24.6,113.25 26.9,113.25 25.7,114.6
  other v2: 44.8,33.15 46.1,33.15 47.4,33.15 48.7,33.15 26.04,33.375 27.3,33.375 28.56,33.375 25.025,34.39 26.04,34.39 27.3,34.39 28.56,34.39 29.575,34.39 44.8,34.45 46.1,34.45 47.4,34.45 48.7,34.45 25.025,35.65 26.04,35.65 27.3,35.65 28.56,35.65 29.575,35.65 44.8,35.75 46.1,35.75 47.4,35.75 48.7,35.75 25.025,36.91 26.04,36.91 27.3,36.91 28.56,36.91 29.575,36.91 44.8,37.05 46.1,37.05 47.4,37.05 48.7,37.05 26.04,37.925 27.3,37.925 28.56,37.925 44.8,38.35 46.1,38.35 47.4,38.35 48.7,38.35 24.3,73.825 22.875,75.25 24.3,75.25 25.725,75.25 24.3,76.675
  other v3: 25.632,102.401 23.925,104.608 12.26,109.616 11.835,110.027
  other v4: 44.797,29.256 46.097,29.256 47.397,29.256 48.697,29.256 44.797,30.556 46.097,30.556 47.397,30.556 48.697,30.556 44.797,31.856 46.097,31.856 47.397,31.856 48.697,31.856 44.797,39.656 46.097,39.656 47.397,39.656 48.697,39.656 44.797,40.956 46.097,40.956 47.397,40.956 48.697,40.956 44.797,42.256 46.097,42.256 47.397,42.256 48.697,42.256 49.35,70.05 50.15,70.05 50.95,70.05 49.35,70.85 50.15,70.85 50.95,70.85
  other v5: 24.3,96.3 25.5,96.3 26.7,96.3 27.9,96.3 24.3,97.633 25.5,97.633 26.7,97.633 27.9,97.633 24.3,98.967 25.5,98.967 26.7,98.967 27.9,98.967 24.3,100.3 25.5,100.3 26.7,100.3 27.9,100.3
GND_Chassis0: C67.1 J6.1 J9.1 J11.MH1 J11.MH2 pad.0@35.35,3 R29.1
  other v2: 35.35,1 34.35,1.268 36.35,1.268 33.618,2 37.082,2 33.35,3 37.35,3 33.618,4 37.082,4 34.35,4.732 36.35,4.732 35.35,5
GND_Chassis1: C68.1 pad.0@70.35,3 R30.1
  other v2: 70.35,1 69.35,1.268 71.35,1.268 68.618,2 72.082,2 68.35,3 72.35,3 68.618,4 72.082,4 69.35,4.732 71.35,4.732 70.35,5